# Altium PCB PCB_LoraRemote.PcbDoc (continued)
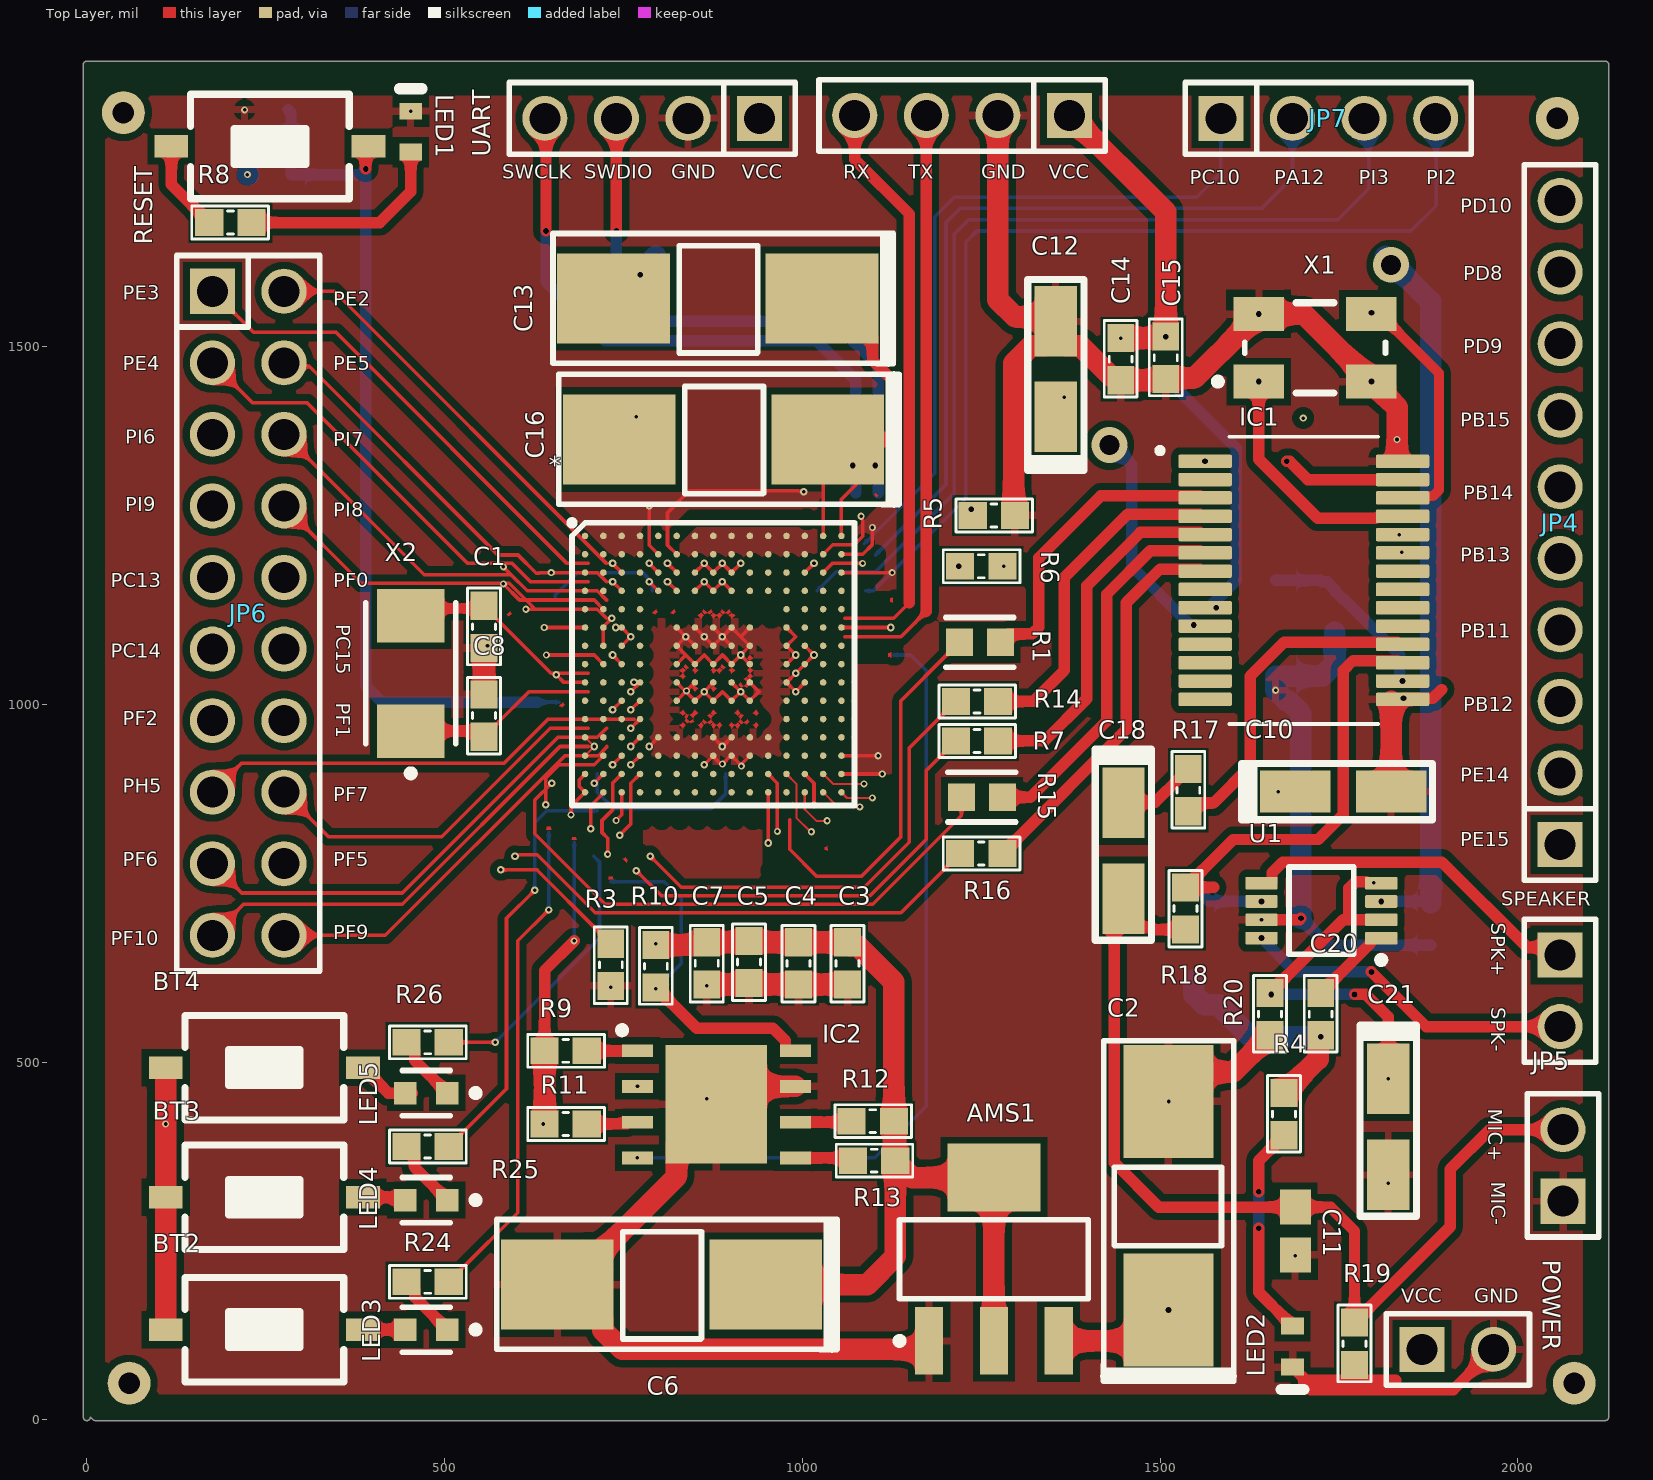
[diagram p0: Top Layer view]
## Nets (pads, with @x,y where several pads share a name; then routed paths per layer and width w, separated by ;. In a path a pad name is that pad's centre, name@x,y a point inside that pad or via, vN(x,y) a via of type N, cw(c..) or ccw(c..) an arc to the next point about the centre after c; other vN are vias at no path point) (continued)
  Layer2_GND w16: 677.17,1142.83 677.17,1761.81 ; v1(732.28,604.33) 766.67,569.94 829.98,569.94 v1(866.39,606.36) 892.72,632.68 892.72,902.56
  Layer2_GND w30: v1(220.47,1830.71) 450.79,1830.71 v1(452.76,1828.74) 519.68,1761.81 677.17,1761.81 773.62,1761.81 ; UART.2 831.23,1818.9 814.73,1802.4 814.21,1802.4 773.62,1761.81 ; v1(866.14,448.82) 866.39,449.07 v1(866.39,606.36) ; ?.2 1212.2,1761.81 773.62,1761.81 ; v1(1511.81,444.88) 1511.81,263.78 1546.26,229.33 v1(1688.98,229.33) 1752.95,229.33 1783.46,259.84 ; v1(1661.42,1019.68) 1672.76,1008.34 v3(1840.23,1008.34) ; v1(1818.9,330.71) 1818.9,295.28 1783.46,259.84 ; JP5.1 1964.17,305.51 1918.5,259.84 1783.46,259.84
  Bottom Layer w5: 713.58,902.56 713.58,876.97 736.22,854.33 872.44,854.33 892.72,874.61 892.72,902.56
  Bottom Layer w16: v3(1696.85,700.79) 1734.25,663.39 R21.1
  Bottom Layer w30: v3(1696.85,700.79) 1696.85,987.58 1679.28,1005.16 1675.95,1005.16 v1(1661.42,1019.68) C24.2 1726.52,1039.37 1744.09,1056.94 C22.2
I2C_SCL: *.B6 IC1.24 | length 1109.4
  Top Layer w5: *.B6 811.54,1222.44 811.54,1267.72 842.05,1298.23 994.4,1298.23 994.81,1297.81 1000.81,1297.81 v2(1001.87,1296.75) ; v1(1834.45,1237.2) IC1.24
  Layer2_GND w5: 1006.28,1258.37 1007.36,1259.44 1011.34,1259.44 1011.74,1259.84 1130.08,1259.84 1811.81,1259.84 v1(1834.45,1237.2)
I2C_SDA: *.B5 IC1.23 | length 1133.1
  Top Layer w5: v2(785.94,1277.56) 785.94,1222.44 *.B5 ; v1(1837.8,1212.6) IC1.23
  Layer2_GND w5: 790.35,1239.17 1811.22,1239.17 v1(1837.8,1212.6)
I2S_MISO: *.M4 R7.1 | length 962.4
  Top Layer w5: v2(649.61,889.76) 625.98,866.14 625.98,818.9 724.41,720.47 1098.43,720.47 1222.28,844.33 R7.1 ; v2(760.35,940.94) *.M4
  Layer1_VCC w3: v2(649.61,889.76) 649.61,903.15 661.81,915.35 669.65,915.35 682.44,928.15 ; 751.97,915.35 764.76,902.56
  Layer1_VCC w5: 682.44,928.15 739.17,928.15 751.97,915.35
I2S_MOSI: *.M5 R14.1 | length 773.2
  Top Layer w5: v2(785.94,940.94) *.M5 ; v2(787.4,787.4) 830.71,744.09 1086.61,744.09 1149.61,807.09 1149.61,938.98 1197.38,986.75 1197.38,987.74 1213.58,1003.94 R14.1
  Layer1_VCC w3: 777.56,797.25 777.56,889.76 790.35,902.56
  Layer1_VCC w5: 777.56,797.25 v2(787.4,787.4)
I2S_SCK: *.R12 R1.1 | length 540.7
  Top Layer w5: 982.28,838.58 982.28,820.24 982.28,797.24 1019.68,759.84 1082.68,759.84 1137.8,814.96 1137.8,1005 1202.97,1070.17 1203.05,1070.17 1219.41,1086.54 R1.1
LHPOUT: C13.2 R21.2 U1.3 | length 2138.4
  Top Layer w30: C13.2 C13.2@769.69,1600.39 ; v3(773.62,1600.39) C13.2@769.69,1600.39 ; C13.2@799.96,1614.92 785.43,1600.39 C13.2@769.69,1600.39
  Layer2_GND w30: 795.28,1625.98 v5@1814.96,1625.98
  Bottom Layer w16: v3(1809.06,724.41) R21.2@1875.98,724.41
  Bottom Layer w30: v3(773.62,1600.39) 773.62,1604.33 795.28,1625.98 ; v5@1814.96,1625.98 1877.95,1562.99 R21.2
  other v5: 1822.83,1614.17
NetBT2_2: BT2.2 LED3.2 | length 59.1
  Top Layer w16: BT2.2 LED3.2
NetBT3_2: BT3.2 LED4.2 | length 66.6
  Top Layer w16: BT3.2 LED4.2@446.85,311.02 ; 424.26,311.02 428.2,307.09
NetBT4_2: BT4.2 LED5.2 | length 88.2
  Top Layer w16: BT4.2 393.7,492.13 401.45,484.38 401.45,476.5 421.26,456.69 LED5.2@454.72,456.69
NetC11_2: C11.2 C18.2 JP5.2 R18.2 R19.2 | length 1443.2
  Top Layer w16: R18.2 1492.13,685.04 1489.16,688.01 1470.35,688.01 1448.82,709.53 C18.2 1435.81,715.34 1435.81,359.46 1498.03,297.24 C11.2 1738.19,297.24 1771.65,263.78 R19.2@1771.65,136.81 ; R19.2 R19.2@1771.65,136.81 ; JP5.2 1960.63,405.51 1905.51,350.39 1905.51,269.69 1783.34,147.51 1782.35,147.51 R19.2@1771.65,136.81
NetC13_1: C13.1 IC1.9 | length 918.8
  Top Layer w16: C13.1 1043.31,1566.93 1098.3,1511.94 1098.3,1480.44 v3(1128.08,1450.66)
  Layer2_GND w16: v3(1128.08,1450.66) 1513.91,1450.66
  Bottom Layer w16: 1513.91,1450.66 1606.3,1358.27 1606.3,1173.23 1570.87,1137.8
  other v3: 1578.54,1134.84
NetC16_1: C16.1 IC1.10 | length 709.8
  Top Layer w16: C16.1 v3(1128.08,1370.08) ; v3(1547.05,1110.7) 1549.38,1110.7 1550.83,1109.25 IC1.10
  Layer2_GND w16: v3(1128.08,1370.08) v5@1425.2,1370.08
  Bottom Layer w16: v5@1425.2,1370.08 1460.63,1334.65 1460.63,1192.39 1539.37,1113.65
  other v5: 1429.13,1362.2
NetC17_2: C17.2 IC1.26 X1.3 | length 347.7
  Top Layer w14: X1.3 1807.09,1545.43 1889.76,1462.75 1889.76,1299.21 1881.39,1290.83 1841.23,1290.83 IC1.26
  other v3: 1795.28,1547.24
NetC18_1: C18.1 R17.2 | length 110.7
  Top Layer w16: C18.1 1449.67,863.05 1492.97,863.05 1527.68,897.76 1528.67,897.76 1539.37,908.46 R17.2
NetC19_2: C19.2 IC1.25 X1.1 | length 344.9
  Top Layer w16: v3(1637.8,1450.94) 1637.8,1342.52 1720.47,1259.84 1801.67,1259.84 1803.18,1261.35 1837.33,1261.35 IC1.25
NetC20_2: C20.2 U1.1 | length 120.5
  Top Layer w16: C20.2 1724.41,597.44 1735.11,608.14 1736.09,608.14 1794.42,666.46 1794.42,672.37 1795.28,673.23 U1.1
NetC22_1: C22.1 C24.1 IC1.16 | length 254.1
  Bottom Layer w16: C24.1 1724.02,1173.23 1726.12,1171.13 1733.39,1171.13 1744.09,1160.43 C22.1 1744.09,1158.46 1754.8,1147.76 1755.78,1147.76 1834.84,1068.7 v3@1834.84,1032.48
  other v3: 1838.78,1032.48
NetC23_2: C23.2 U1.6 | length 105.5
  Bottom Layer w16: C23.2 1547.24,745.94 1568.77,724.41 v3(1641.73,724.41)
NetIC1_3: IC1.3 R1.2 | length 420.1
  Top Layer w16: R1.2 R1.2 1287.51,1097.55 1287.59,1097.55 1288.46,1098.43 1321.34,1098.43 1330.71,1107.8 1330.71,1204.72 1417.32,1291.34 IC1.3@1555.12,1291.34
NetIC1_4: IC1.4 R14.2 | length 466
  Top Layer w16: R14.2 1322.83,1003.94 1366.14,1047.24 1366.14,1177.17 1454.72,1265.75 IC1.4@1555.12,1265.75
NetIC1_5: IC1.5 R15.2 | length 494.4
  Top Layer w16: R15.2 1338.58,948.82 1397.64,1007.87 1397.64,1165.35 1472.44,1240.16 IC1.5@1555.12,1240.16
NetIC1_6: IC1.6 R7.2 | length 522.1
  Top Layer w16: R7.2 1318.9,870.08 1425.2,976.38 1425.2,1153.54 1486.22,1214.57 IC1.6@1555.12,1214.57
NetIC1_7: IC1.7 R16.2 | length 544.7
  Top Layer w16: R16.2 1280.51,791.34 1291.21,802.04 1291.21,803.02 1452.76,964.57 1452.76,1141.73 1500,1188.98 IC1.7@1555.12,1188.98
NetIC1_17: IC1.17 R18.1 | length 584.7
  Top Layer w16: 1574.8,744.09 R18.1 1535.43,745.08 1546.13,755.78 1547.12,755.78 1602.36,811.02 1720.85,811.02 1755.91,846.08 1755.91,1047.24 1769.68,1061.02 IC1.17@1831.1,1061.02
NetIC1_18: IC1.18 R17.1 | length 464
  Top Layer w16: R17.1 1539.37,851.38 1550.07,862.08 1551.06,862.08 1551.18,862.2 1574.8,862.2 1625.98,913.39 1625.98,1039.37 1673.23,1086.61 IC1.18@1831.1,1086.61
NetIC2_1: IC2.1 R9.2 | length 70.9
  Top Layer w16: R9.2 769.49,515.75 IC2.1
NetIC2_3: IC2.3 R11.2 | length 71.9
  Top Layer w16: R11.2 754.33,413.39 756.89,415.94 IC2.3
NetIC2_5: IC2.5 R13.1 | length 82.3
  Top Layer w16: IC2.5 1067.13,365.94 R13.1
NetIC2_6: IC2.6 R12.1 | length 79.3
  Top Layer w16: IC2.6 1067.52,415.94 R12.1
NetJP2_1: SPEAKER.1 U1.5 | length 491.4
  Top Layer w16: U1.5 1655.51,750 1656.37,750.86 1656.37,764.64 1671.26,779.53 1893.7,779.53 2012.93,660.3 2048.36,660.3 SPEAKER.1
NetJP2_2: SPEAKER.2 U1.8 | length 468.5
  Top Layer w16: v3(1795.28,625.98) 1871.65,549.61 SPEAKER.2
  Bottom Layer w16: v3(1641.73,673.23) 1688.98,625.98 v3(1795.28,625.98)
NetLED1_1: LED1.1 R8.1 | length 295.5
  Top Layer w16: R8.1 409.45,1673.23 452.76,1716.54 LED1.1
NetLED2_1: LED2.1 R4.1 | length 303.9
  Top Layer w16: v3(1637.8,267.72) 1637.8,178.15 1677.29,138.65 1677.29,134.72 1681.1,130.91 LED2.1 ; v3(1637.8,318.9) 1637.8,362.2 1661.54,385.95 1662.53,385.95 1673.23,396.65 R4.1
  Bottom Layer w16: v3(1637.8,267.72) v3(1637.8,318.9)
NetLED3_1: LED3.1 R24.1 | length 91.2
  Top Layer w16: R24.1 447.72,192.91 458.42,182.21 458.42,171.5 LED3.1
NetLED4_1: LED4.1 R25.1 | length 98.9
  Top Layer w16: R25.1 447.4,381.89 458.1,371.19 458.1,352.93 LED4.1
NetLED5_1: LED5.1 R26.1 | length 95.1
  Top Layer w16: R26.1 447.72,527.56 458.42,516.86 458.42,502.21 LED5.1
NetR8_2: R8.2 RESET.1 | length 128.9
  Top Layer w16: RESET.1 118.11,1726.38 159.57,1684.91 159.57,1683.93 170.28,1673.23 R8.2
OSC1: *.G1 C1.2 X2.2 | length 290.3
  Top Layer w5: C1.2@555.12,1136.81 C1.2 ; C1.2@559.06,1133.02 559.06,1132.87 571.32,1120.61 571.47,1120.61 648.77,1043.31 700.79,1043.31
  Top Layer w14: X2.2 462.6,1133.86 C1.2@559.06,1133.86
OSC2: *.H1 C8.2 X2.1 | length 303
  Top Layer w5: C8.2 555.12,955.71 571.32,971.91 572.3,971.91 618.11,1017.72 700.79,1017.72
  Top Layer w16: X2.1@470.47,944.88 X2.1 547.24,962.6 C8.2
PA12: *.B15 JP7.2 | length 1171
  Top Layer w5: *.B15 1084.21,1209.65 1097.95,1223.39 v1(1097.95,1247.05)
  Bottom Layer w5: 1102.36,1208.66 1200.79,1307.09 1200.79,1673.23 1220.47,1692.91 1641.73,1692.91 1685.04,1736.22 JP7.2
PB11: *.R13 JP4.4 | length 1285.6
  Top Layer w3: *.R13 1003.46,853.35 1020.07,836.74 1034.1,836.74 v1(1034.53,837.17)
  Layer2_GND w5: 1038.94,798.78 1055.32,782.4 1742.5,782.4 1798.68,838.58 1842.52,838.58 1844.39,836.72 1848.53,836.72 1956.69,944.88 1956.69,1051.18 2009.45,1103.94 JP4.4
PB12: *.P12 JP4.3 | length 1245.5
  Top Layer w3: *.P12 991.65,888.78 991.65,841.54 1011.34,821.85 v1(1012.69,821.85)
  Layer2_GND w5: 1017.1,783.46 1036.79,763.78 1751.97,763.78 1811.02,822.83 1854.33,822.83 2024.67,993.17 2048.29,993.17 JP4.3
PB13: *.P13 JP4.5 | length 1386.8
  Top Layer w5: *.P13 1016.26,889.76 v1(1016.26,859.25)
  Layer2_GND w5: 1020.67,820.87 1026.58,814.96 1051.18,814.96 1070.87,795.28 1740.16,795.28 1795.28,850.39 1838.58,850.39 1940.94,952.76 1940.94,1157.48 1987.4,1203.94 JP4.5
PB14: *.R14 JP4.6 | length 1422
  Top Layer w3: *.R14 1046.77,859.25 1075.81,859.25 1078.45,856.61 v1(1080.34,856.61)
  Layer2_GND w5: 1084.75,818.23 1086.11,818.23 1097.25,807.09 1732.28,807.09 1787.4,862.2 1822.83,862.2 1917.32,956.69 1917.32,1259.84 1952.76,1295.28 2050.39,1295.28 JP4.6
PB15: *.R15 JP4.7 | length 1471.9
  Top Layer w3: *.R15 1062.52,869.1 v1(1097.95,869.1)
  Layer2_GND w5: 1102.36,830.71 1114.17,818.9 1724.41,818.9 1783.46,877.95 1822.83,877.95 1905.51,960.63 1905.51,1338.58 1970.87,1403.94 JP4.7
PC10: *.B14 JP7.1 | length 1093.6
  Top Layer w5: *.B14 1042.48,1223.07 1072.36,1223.07 1084.21,1234.92 1084.21,1257.37 1083.16,1258.42 1083.16,1261.84 v1(1082.21,1262.8)
  Bottom Layer w5: 1086.61,1224.41 1185.04,1322.83 1185.04,1681.1 1212.6,1708.66 1551.18,1708.66 1585.04,1742.52 JP7.1
PC13: *.D1 JP6.5 | length 581.5
  Top Layer w5: v1(582.21,1191.93) 615.67,1158.47 *.D1
  Layer1_VCC w5: JP6.5 214.96,1216.54 303.15,1216.54 366.14,1153.54 586.61,1153.54
PC14: *.E1 JP6.6 | length 555.2
  Top Layer w5: v1(613.7,1132.87) *.E1
  Layer1_VCC w5: JP6.6 220.47,1122.05 291.34,1122.05 318.9,1094.49 618.11,1094.49
PC15: *.F1 JP6.15 | length 428.6
  Top Layer w5: v1(639.29,1107.28) *.F1
  Layer1_VCC w5: JP6.15 283.86,1068.9 643.7,1068.9
PD8: *.P15 JP4.9 | length 1636.9
  Top Layer w5: *.P15 v1(1111.73,902.56)
  Layer2_GND w5: 1116.14,864.17 1129.92,850.39 1722.08,850.39 1773.26,901.57 1807.09,901.57 1877.95,972.44 1878.96,972.44 1881.89,975.37 1881.89,1519.69 1966.43,1604.23 1970.57,1604.23 1970.87,1603.94 JP4.9
PD9: *.P14 JP4.8 | length 1610.8
  Top Layer w3: *.P14 1042.84,888.78 v1(1086.14,888.78)
  Layer2_GND w5: 1090.55,850.39 1106.3,850.39 1122.05,834.65 1720.47,834.65 1775.59,889.76 1814.96,889.76 1889.76,964.57 1890.77,964.57 1893.7,967.5 1893.7,1472.44 1925.2,1503.94 JP4.8
PD10: *.N15 JP4.10 | length 1730.3
  Top Layer w5: *.N15 v1(1105.83,928.15)
  Layer2_GND w5: 1110.24,889.76 1139.61,860.39 1714.72,860.39 1771.65,917.32 1798.68,917.32 1870.08,988.73 1870.08,1618.11 1955.91,1703.94 JP4.10
PDR_ON: *.C6 R6.1 | length 560.7
  Top Layer w5: v2(811.54,1196.85) *.C6
  Layer1_VCC w3: 815.94,1158.47 815.94,1226.42
  Layer1_VCC w5: 815.94,1226.42 857.4,1267.87 861.18,1271.65 1175.2,1271.65 1218.5,1228.35 v3(1218.5,1192.91)
PE2: *.A2 JP6.20 | length 608.3
  Top Layer w5: JP6.20 346.06,1577.17 726.38,1196.85
PE3: *.A1 JP6.1 | length 682.7
  Top Layer w5: JP6.1 233.07,1519.68 348.39,1519.68 671.22,1196.85 700.79,1196.85
PE4: *.B1 JP6.2 | length 651.9
  Top Layer w5: JP6.2 231.5,1421.26 307.86,1421.26 532.27,1196.85 594.49,1196.85 620.08,1171.26 700.79,1171.26
PE5: *.B2 JP6.19 | length 578.1
  Top Layer w5: JP6.19 280.95,1471.81 311.66,1471.81 574.8,1208.66 602.68,1208.66 628.01,1183.33 632.15,1183.33 632.87,1184.06 713.58,1184.06 726.38,1171.26
PE14: *.P11 JP4.2 | length 1252.9
  Top Layer w5: *.P11 965.08,889.76 v1(965.08,822.36)
  Layer2_GND w5: 969.49,783.97 1003.46,750 1757.87,750 1811.02,803.15 1862.2,803.15 1962.99,903.94 JP4.2
PE15: *.R11 JP4.1 | length 1216.9
  Top Layer w5: v2(952.28,806.1) *.R11
  Layer2_GND w5: 956.69,767.72 988.19,736.22 1758.32,736.22 1813.44,791.34 1874.02,791.34 1889.76,807.09 2055.91,807.09 JP4.1
PF0: *.E2 JP6.16 | length 485
  Top Layer w5: v1(582.21,1168.31) 604.84,1145.67 709.17,1145.67 *.E2
  Layer1_VCC w5: JP6.16 322.83,1129.92 586.61,1129.92
PF1: *.H3 JP6.14 | length 503.8
  Top Layer w5: v2(734.76,1068.9) *.H3
  Layer1_VCC w5: JP6.14 614.96,977.17 668.31,1030.51 739.17,1030.51
PF2: *.H2 JP6.7 | length 578.2
  Top Layer w5: v1(642.24,1068.9) 709.17,1068.9 *.H2
  Layer2_GND w5: JP6.7 216.27,1017.84 633.98,1017.84 646.65,1030.51
PF5: *.K3 JP6.12 | length 554.8
  Top Layer w5: v2(734.76,992.13) *.K3
  Layer1_VCC w5: JP6.12 481.89,777.17 658.46,953.74 739.17,953.74
PF6: *.K2 JP6.9 | length 663.1
  Top Layer w5: JP6.9 216.54,736.22 440.94,736.22 658.46,953.74 713.58,953.74 726.38,966.54
PF7: *.K1 JP6.13 | length 513.7
  Top Layer w5: JP6.13 337.8,814.96 496.06,814.96 647.64,966.54 700.79,966.54
PF9: *.L2 JP6.11 | length 560.7
  Top Layer w5: JP6.11 417.32,677.17 668.31,928.15 714.7,928.15 726.38,939.83 726.38,940.94
PF10: *.L1 JP6.10 | length 634.5
  Top Layer w5: JP6.10 218.9,720.47 440.94,720.47 661.42,940.94 700.79,940.94
PH5: *.J4 JP6.8 | length 649.6
  Top Layer w5: JP6.8 215.75,917.32 582.68,917.32 644.68,979.33 764.76,979.33 ; v2(760.35,1017.72) *.J4
PI2: *.C14 JP7.4 | length 1412.9
  Top Layer w5: *.C14 1041.85,1196.85 v1(1084.21,1196.85)
  Bottom Layer w5: 1088.62,1158.47 1099.41,1158.47 1228.35,1287.4 1228.35,1645.67 1244.09,1661.42 1850.39,1661.42 1885.83,1696.85 1885.83,1818.11 JP7.4
PI3: *.C13 JP7.3 | length 1334.8
  Top Layer w5: *.C13 v2(1016.26,1196.85)
  Bottom Layer w5: 1020.67,1158.47 1047.2,1185 1102.36,1185 1212.6,1295.24 1212.6,1657.48 1232.28,1677.17 1748.03,1677.17 1791.34,1720.47 1791.34,1812.6 JP7.3
PI6: *.C3 JP6.3 | length 706.9
  Top Layer w5: v2(734.76,1196.85) *.C3
  Layer1_VCC w5: JP6.3 189.76,1377.17 244.09,1322.83 295.28,1322.83 346.46,1271.65 346.46,1212.6 370.08,1188.98 594.49,1188.98 625,1158.47 739.17,1158.47
PI7: *.C2 JP6.18 | length 546.7
  Top Layer w5: JP6.18 471.65,1181.1 592.88,1181.1 615.52,1158.47 713.58,1158.47 726.38,1145.67
PI8: *.D2 JP6.17 | length 515.9
  Top Layer w5: JP6.17 383.46,1169.29 590.55,1169.29 626.97,1132.87 713.58,1132.87 726.38,1120.08
PI9: *.D3 JP6.4 | length 641.4
  Top Layer w5: v2(734.76,1171.26) *.D3
  Layer1_VCC w5: JP6.4 224.41,1228.35 311.02,1228.35 362.2,1177.17 582.68,1177.17 626.97,1132.87 739.17,1132.87
RESET: *.J1 C9.1 R2.1 RESET.2 | length 1280.2
  Top Layer w5: v2(655.98,1041.34) 666.81,1030.51 *.J1
  Top Layer w16: v3(389.76,1748.03) 389.76,1775.59 RESET.2
  Bottom Layer w5: 629.76,1002.95 660.39,1002.95
  Bottom Layer w16: C9.1 285.43,1826.77 R2.1 381.89,1740.16 v3(389.76,1748.03) 389.76,1740.16 389.76,1025.59 412.4,1002.95 629.76,1002.95
RHPOUT: C16.2 C21.1 R20.2 U1.2 U1.4 | length 2166.5
  Top Layer w16: R20.2@1653.54,597.44 1664.24,608.14 1665.23,608.14 1755.91,698.82 1763.78,698.82 ; v3(1771.65,594.49) 1787.4,594.49 1818.9,562.99 v1(1818.9,476.38) ; v1(1798.68,750.86) 1789.16,750.86 1788.05,751.97 1773.15,751.97 1763.78,742.6 1763.78,698.82 ; U1.2 1763.78,698.82
  Layer1_VCC w16: v1(1700,1400) 1798.68,1301.32 v1(1798.68,750.86)
  Layer2_GND w16: v1(767.72,1401.57) 1698.43,1401.57 v1(1700,1400)
  Bottom Layer w16: v3(1655.51,594.49) v3(1771.65,594.49)
SPI1_CS: *.F15 IC2.4 | length 1166.1
  Top Layer w5: v1(769.49,366.14) IC2.4 ; *.F15 1084.21,1107.28 v2(1123.55,1107.29)
  Bottom Layer w5: v1(769.49,366.14) 1101.24,366.14 1173.23,438.13 1173.23,1047.24 1151.57,1068.9 1127.95,1068.9
SPI1_MISO: *.P3 IC2.8 R10.1 | length 615.3
  Top Layer w5: v1(727.87,790.36) 727.87,805.95 727.87,812.83 720,820.71 720,837.6 734.76,852.36 734.76,889.76 *.P3
  Top Layer w16: R10.1 795.28,603.35 795.77,602.85 805.98,592.65 806.96,592.65 852.36,547.24 958.86,547.24 976.5,529.6 976.5,516.8 977.36,515.94 IC2.8
  Bottom Layer w5: 732.28,751.97 807.09,751.97 830.71,728.35 830.71,637.8 v1(795.28,602.36)
SPI1_SCK: *.P4 IC2.2 | length 418.6
  Top Layer w5: v2(744.61,816.93) 760.35,832.68 760.35,889.76 *.P4
  Layer1_VCC w5: 749.02,778.54 749.02,486.61 v1(769.68,465.94)
SWCLK: *.A14 UART.4 | length 1006
  Top Layer w5: *.A14 1029.06,1315.95 1046.77,1333.66 v3(1070.39,1333.66)
  Top Layer w16: UART.4 641.73,1817.32 v3(641.73,1661.42)
  Bottom Layer w16: v3(641.73,1661.42) 641.73,1590.55 724.41,1507.87 1019.68,1507.87 1074.8,1452.76 1074.8,1295.28
SWDIO: *.A15 UART.3 | length 950.1
  Top Layer w5: *.A15 1054.65,1286.42 v3(1101.89,1333.66)
  Top Layer w16: v3(740.16,1661.42) UART.3
  Bottom Layer w16: v3(740.16,1661.42) 740.16,1570.87 775.59,1535.43 1043.31,1535.43 1106.3,1472.44 1106.3,1295.28
UART1_RX: *.D15 ?.4 | length 812.3
  Top Layer w5: 1059.06,1120.08 1127.95,1120.08 1149.61,1141.73
  Top Layer w16: ?.4 1073.23,1761.42 1149.61,1685.04 1149.61,1141.73
UART1_TX: *.E15 ?.3 | length 821.8
  Top Layer w5: 1059.06,1094.49 1137.8,1094.49 1173.23,1129.92
  Top Layer w16: 1173.23,1129.92 ?.3
pads on no net: *.A3 *.A4 *.A5 *.A6 *.A7 *.A8 *.A9 *.A10 *.A11 *.A12 *.A13 *.B3 *.B4 *.B7 *.B8 *.B9 *.B10 *.B11 *.B12 *.B13 *.C4 *.C10 *.C11 *.C12 *.D4 *.D10 *.D11 *.D12 *.D13 *.D14 *.E3 *.E4 *.E12 *.E13 *.E14 *.F4 *.F13 *.F14 *.G4 *.G14 *.G15 *.H4 *.H14 *.H15 *.J2 *.J3 *.J14 *.J15 *.K12 *.K13 *.K14 *.K15 *.L3 *.L12 *.L13 *.L14 *.L15 *.M2 *.M3 *.M6 *.M7 *.M10 *.M11 *.M12 *.M13 *.M14 *.M15 *.N5 *.N6 *.N7 *.N11 *.N12 *.N13 *.N14 *.P5 *.P6 *.P7 *.P8 *.P9 *.P10 *.R4 *.R5 *.R6 *.R7 *.R8 *.R9 *.R10 IC1.2 IC1.8 IC1.11 IC1.12 IC1.13 IC1.14 IC1.19 IC1.20 IC1.21 IC1.22
copper on no net:
  other v2: 764.76,1030.51 739.17,1107.28

## Polygon pours and split planes (outlines as drawn)
GND on Bottom Layer "BOT POLYGON" (solid, remove dead copper, pour order 0): 31.5,1854.33 35.43,1850.39 2090.55,1850.39 2090.55,43.31 2098.43,35.43 19.68,35.43 19.68,1842.52
no net on Layer1_VCC "LAYER1 POLYGON" (solid, pour order 2): 25.59,1848.43 2088.58,1848.43 2082.68,1842.52 2082.68,35.43 19.68,35.43 25.59,41.34
GND on Layer2_GND "LAYER2 POLYGON" (solid, pour order 4): 39.37,1866.14 43.31,1862.2 2090.55,1862.2 2090.55,43.31 2086.61,39.37 2084.65,41.34 25.59,41.34 25.59,1836.61 19.68,1842.52 35.43,1858.27 39.37,1858.27
GND on Top Layer "TOP POLY" (solid, pour order 1): 25.59,1848.43 27.56,1850.39 2090.55,1850.39 2090.55,43.31 2082.68,35.43 19.68,35.43 25.59,41.34

## Silkscreen, mask and mechanical layers (free items; w line width, h text height)
Top Overlay:
  text "SWCLK" at 580.87,1734.41 h20
  text "SWDIO" at 695.04,1734.41 h20
  text "GND" at 817.09,1734.41 h20
  text "VCC" at 915.51,1734.41 h20
  text "RX" at 1057.24,1734.41 h20
  text "TX" at 1147.8,1734.41 h20
  text "GND" at 1250.16,1734.41 h20
  text "VCC" at 1344.65,1734.41 h20
  text "PC10" at 1541.5,1726.54 h20
  text "PA12" at 1659.61,1726.54 h20
  text "PI3" at 1777.72,1726.54 h20
  text "PI2" at 1872.2,1726.54 h20
  text "PD10" at 1919.45,1687.17 h20
  text "PD8" at 1923.39,1592.68 h20
  text "PE3" at 50.28,1565.12 h20
  text "PE2" at 344.65,1557.24 h20
  text "PD9" at 1923.39,1490.32 h20
  text "PE4" at 50.28,1466.69 h20
  text "PE5" at 344.65,1466.69 h20
  text "PB15" at 1919.45,1387.95 h20
  text "PI6" at 53.62,1364.33 h20
  text "PI7" at 344.65,1360.39 h20
  text "PB14" at 1923.39,1285.59 h20
  text "PI9" at 53.62,1269.84 h20
  text "PI8" at 344.65,1261.97 h20
  text "PB13" at 1919.45,1198.98 h20
  text "PC13" at 33.62,1163.54 h20
  text "PF0" at 344.65,1163.54 h20
  text "PC15" at 348.58,1112.05 h20 r270
  text "PB11" at 1919.45,1092.68 h20
  text "PC14" at 33.62,1065.12 h20
  text "PF1" at 348.58,1001.81 h20 r270
  text "PB12" at 1923.39,990.32 h20
  text "PF2" at 50.28,970.63 h20
  text "PE14" at 1919.45,891.89 h20
  text "PH5" at 50.28,876.14 h20
  text "PF7" at 344.65,864.33 h20
  text "PE15" at 1919.45,801.34 h20
  text "PF6" at 50.28,773.78 h20
  text "PF5" at 344.65,773.78 h20
  text "SPK+" at 1962.76,694.72 h20 r270
  text "PF9" at 344.65,671.42 h20
  text "PF10" at 33.62,663.54 h20
  text "SPK-" at 1962.76,576.61 h20 r270
  text "MIC+" at 1958.82,434.88 h20 r270
  text "MIC-" at 1962.76,332.52 h20 r270
  text "VCC" at 1836.77,163.54 h20
  text "GND" at 1939.13,163.54 h20
Bottom Overlay:
  drawing of 3466 lines, arcs and shapes, not listed